# Altium PCB OneStep_И1.PcbDoc
Units mm, origin at the board's own origin, x right, y up, seen from the top; angles counter-clockwise.
Board outline 99.99 x 92.95 mm, 2 copper layers (Top Layer, Bottom Layer), stack 1.5 mm thick; 30 components, 47 nets, 168 pads, 0 vias.
Unrouted connection lines stored in the file: 3.
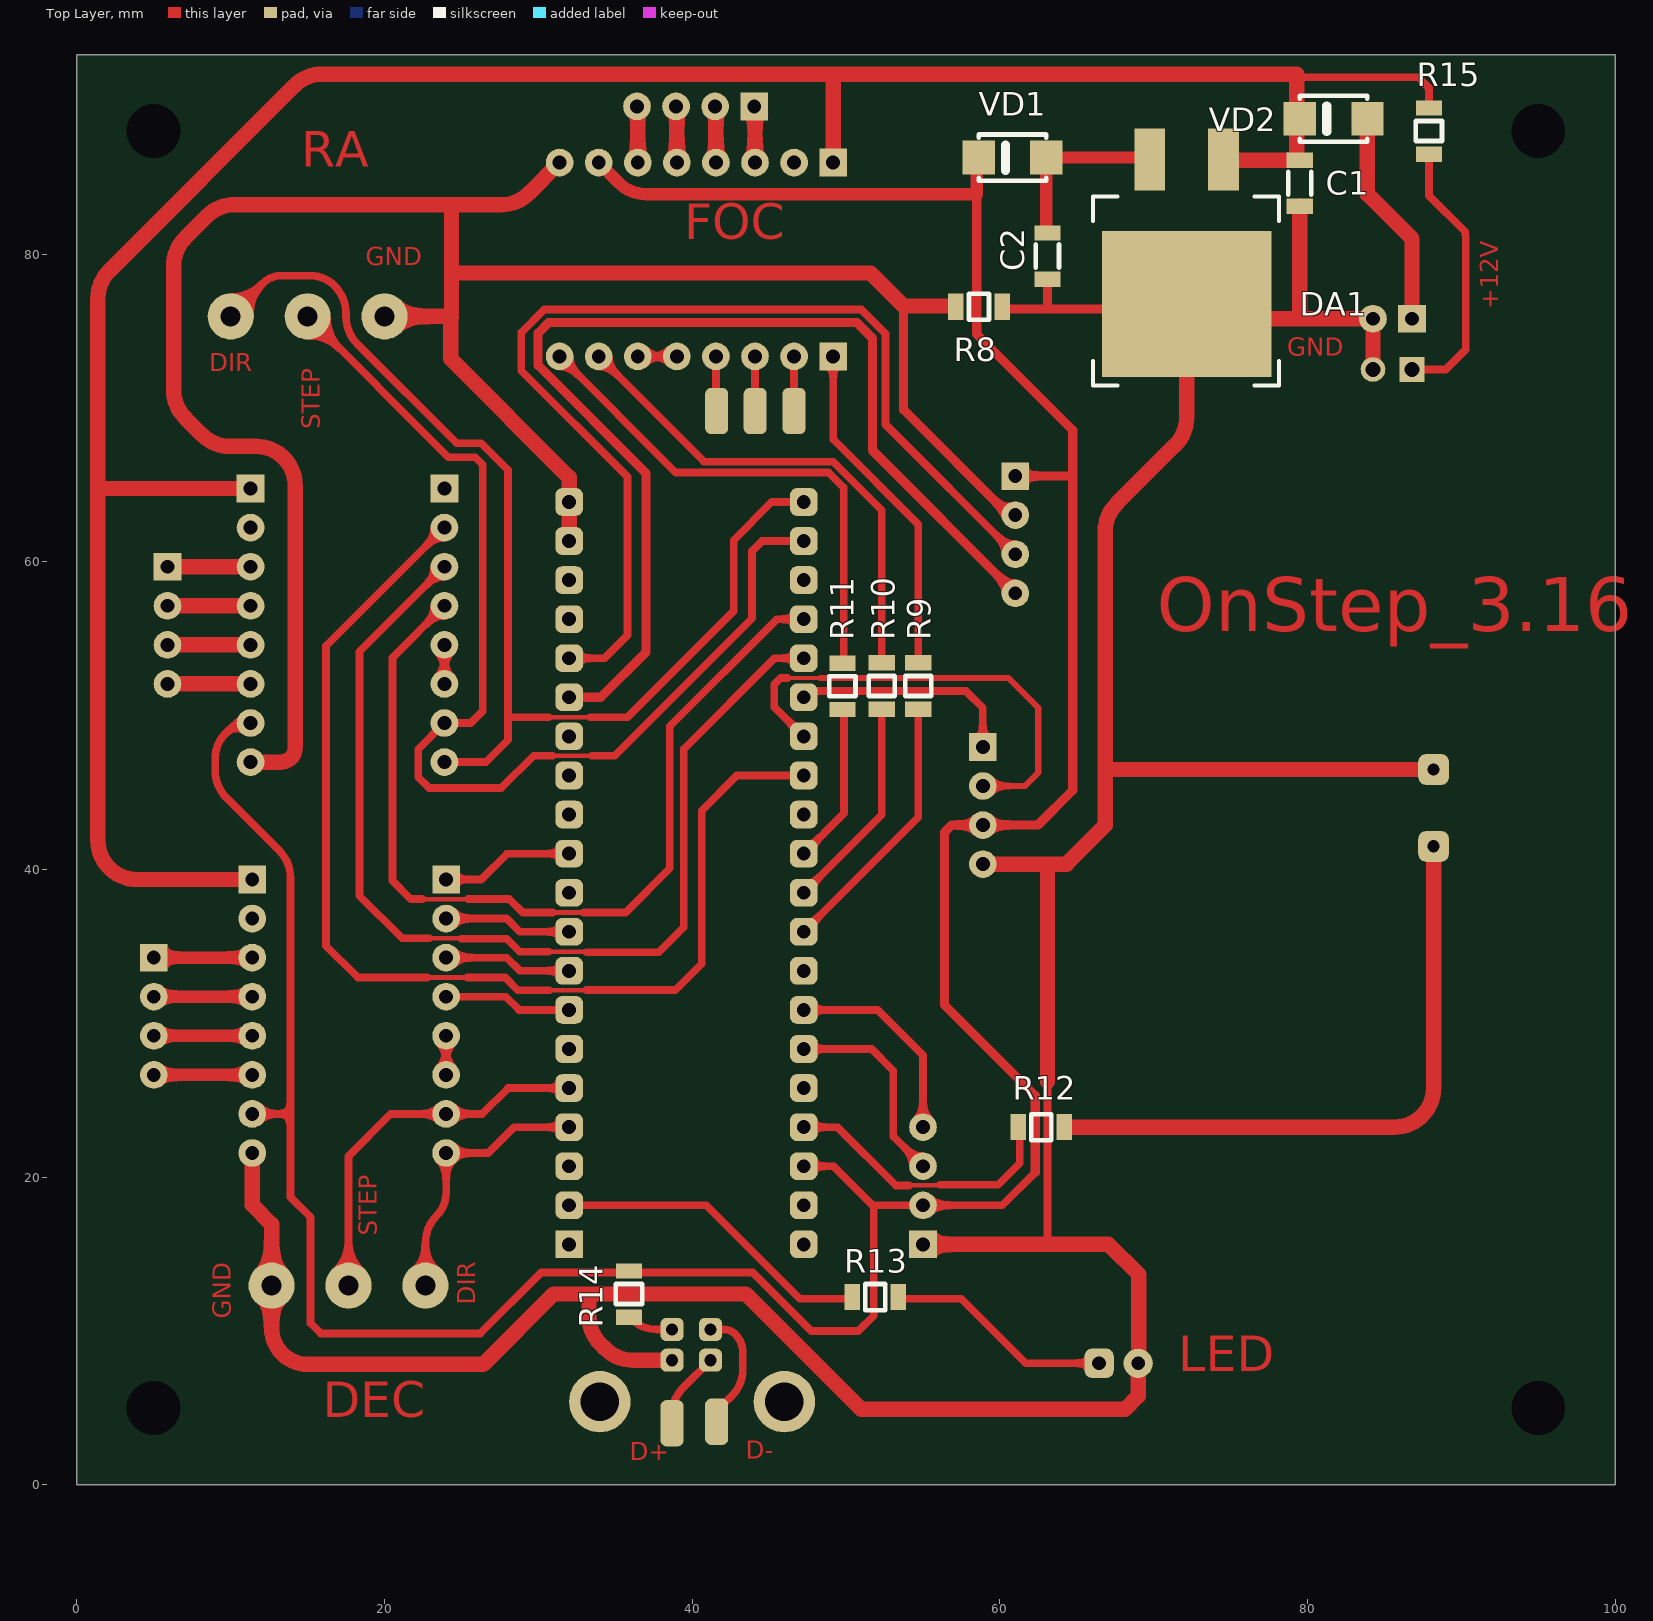
[diagram p0: Top Layer view]
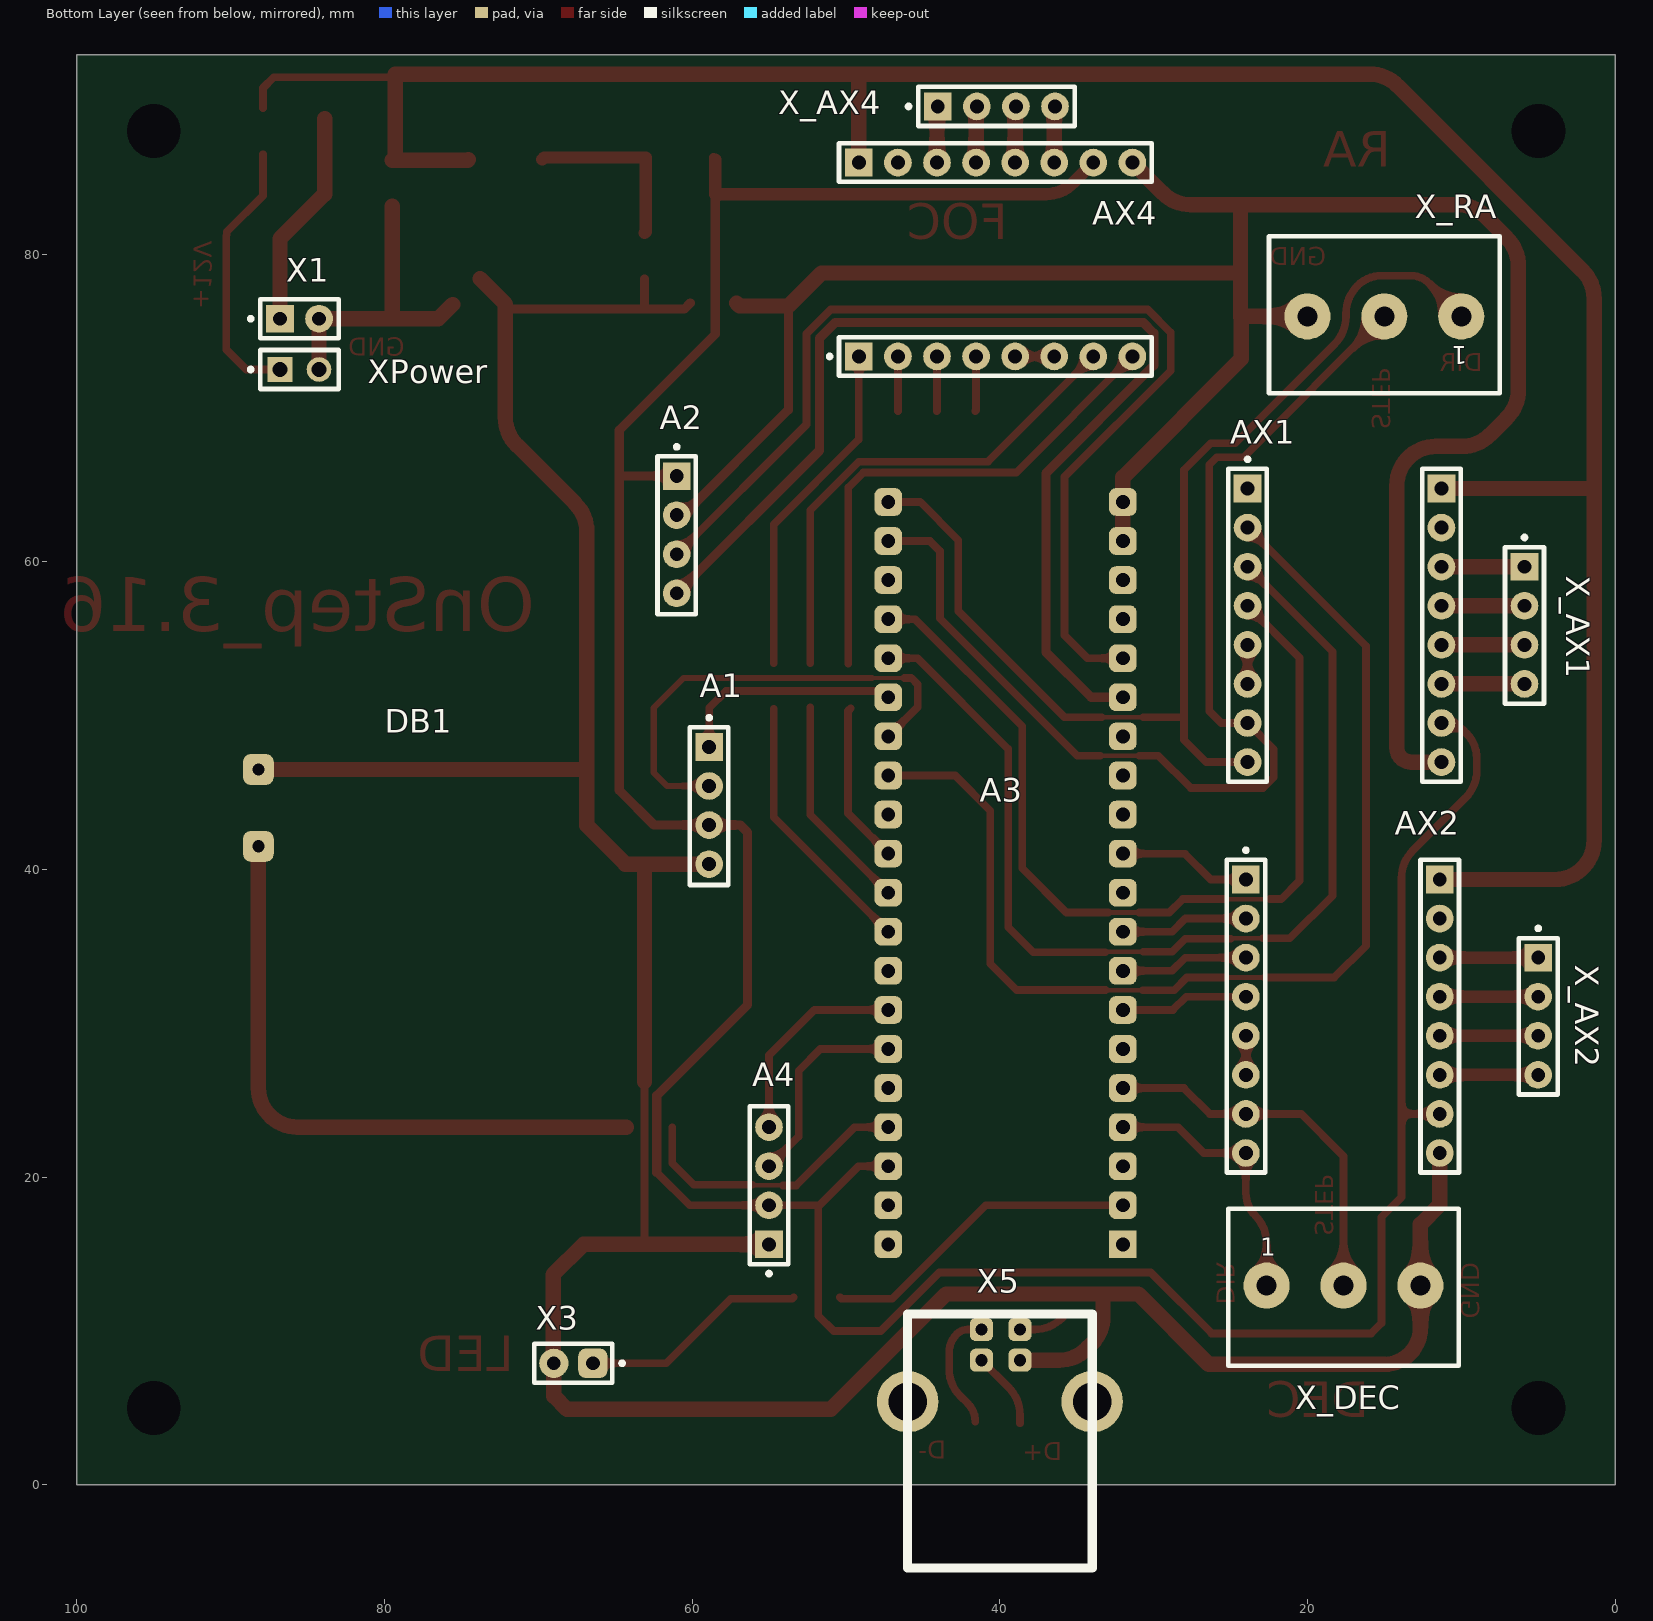
[diagram p1: Bottom Layer view, seen from below]
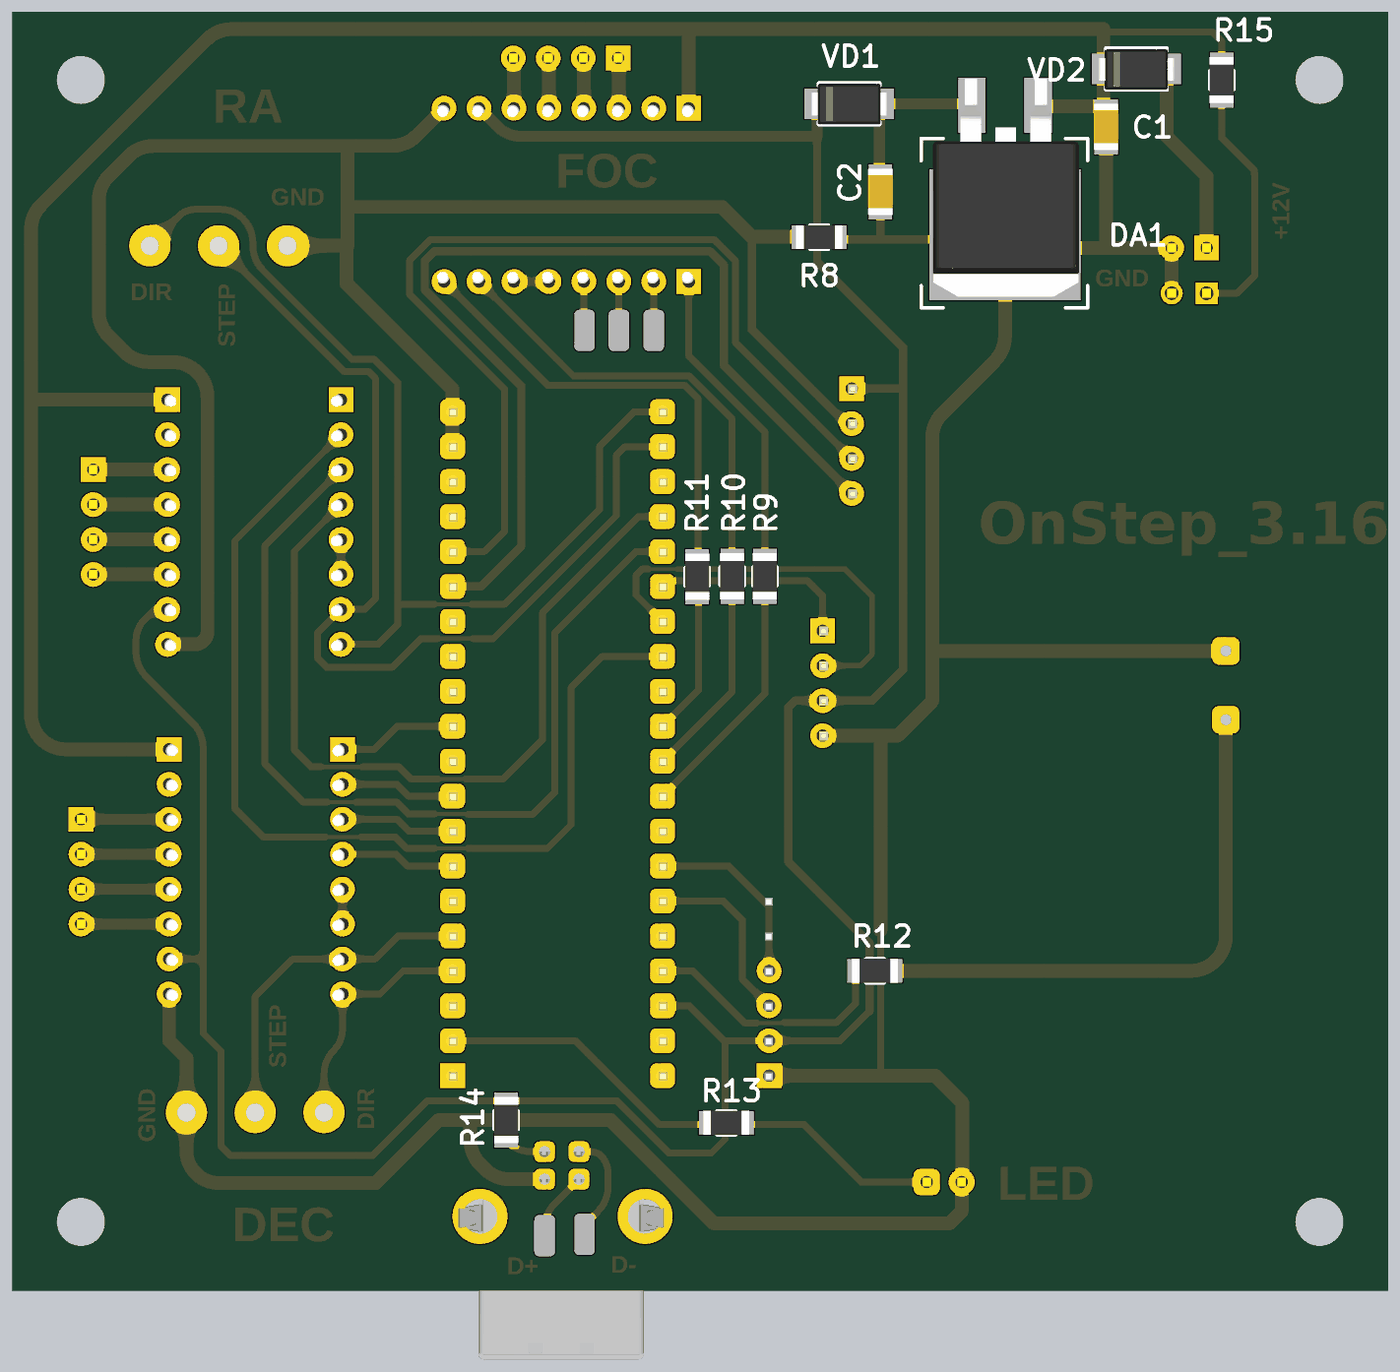
[diagram p2: 3D render of the assembled board from above, using the file's embedded part models]
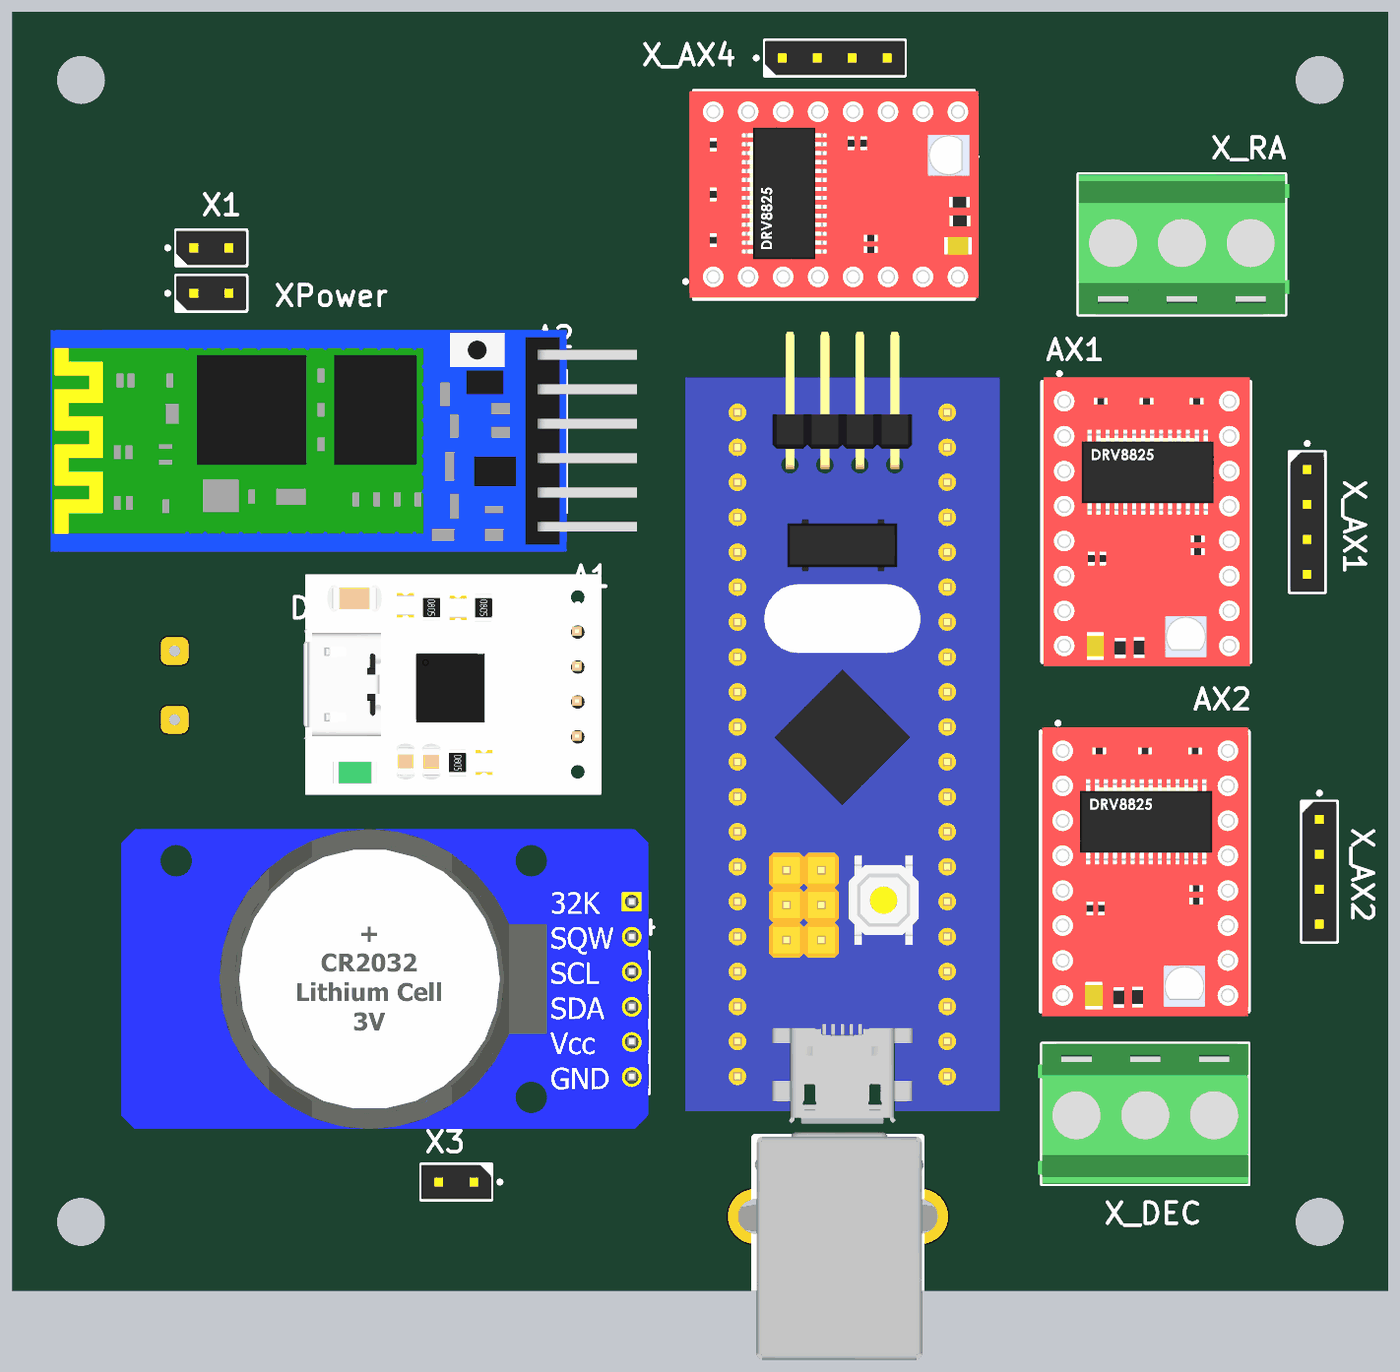
[diagram p3: 3D render of the assembled board from below, using the file's embedded part models]

## Layer stack, top to bottom
Top Solder: solder mask 0.05, Solder Resist, Dk 3.5
Top Layer: signal copper 0.018
Dielectric 1: dielectric 1.464, FR-4, Dk 4.8
Bottom Layer: signal copper 0.018
Bottom Solder: solder mask 0.05, Solder Resist, Dk 3.5

## Board outline
0.01,0 0.01,92.95 100,92.95 100,0

## Design rules (kind name [scope] priority, off if disabled: settings)
BoardOutlineClearance [OnLayer('Top Layer')] p1: gap=0.5 ignorepadtopadclearanceinfootprint=FALSE
BoardOutlineClearance BoardOutlineClearance_1 [OnLayer('Bottom Layer')] p2: gap=0.5 ignorepadtopadclearanceinfootprint=FALSE
Clearance [All] p1: gap=0.2 ignorepadtopadclearanceinfootprint=FALSE
ComponentClearance [All] p1: gap=0.5 collisioncheckmode=3 verticalgap=0.5 showdistances=FALSE
Height [All] p1: minheight=0 maxheight=50 prefheight=12.7
HoleSize [All] p1: absolutevalues=TRUE maxlimit=20 minlimit=0.4 maxpercent=80.000 minpercent=20.000
MinimumSolderMaskSliver [All] p1: minsoldermaskwidth=0.2
PolygonConnect PolygonConnect_Via [All] p1: connectstyle=Direct reliefconductorwidth=0.254 reliefentries=4 polygonreliefangle="90 Angle" airgapwidth=0.254
PolygonConnect [All] p2: connectstyle=Relief reliefconductorwidth=0.3 reliefentries=4 polygonreliefangle="90 Angle" airgapwidth=0.3
RoutingVias [All] p1: holewidth=0.711 width=1.27 viastyle="Through Hole" minholewidth=0.711 minwidth=1.27 maxholewidth=0.711 maxwidth=1.27
SilkToSilkClearance [All] p1: silktosilkclearance=0
SilkToSolderMaskClearance [IsPad] p1 off: minsilkscreentomaskgap=0.1 clearancetoexposedcopper=TRUE
SolderMaskExpansion [All] p1: expansion=0.1
Width [All] p1: maxlimit=2.5 minlimit=0.25 preferedwidth=0.3
24 further rules are at their usual default settings.

## Components (designator, comment, footprint, x,y, rotation, side; value= is the part's Value field where it differs from the comment)
A1 "CPL2102" CP2102 58.9,47.965 r180 bottom
A2 "HC-05" HC-05 61.01,65.57 r180 bottom
A3 "STM32F103C8" STM32BLUE_PILL 32.01,15.63 r0 bottom
A4 "DS3231" DS3231 55.01,23.25 r180 bottom
AX1 "A4988_Ra" A4899 23.9,64.76 r180 bottom
AX2 "A4988_Dec" A4899 24.01,39.35 r180 bottom
AX4 "A4988_Foc" A4899 49.17,73.35 r90 bottom
C1 "4,7мкФ" C1206H19 79.5,84.6 r90 top value=4.7uF
C2 "4,7мкФ" C1206H19 63.1,79.875 r90 top value=4.7uF
DA1 "L7805CD2T" D2PAK 72.05,76.65 r270 top
DB1 "PKM13" PKM13 88.2,46.5 r270 bottom
R8 "0 Ом" R1206H07 58.65,76.575 r0 top value=0Оhm
R9 "0 Ом" R1206H07 54.7,51.925 r90 top value=0Оhm
R10 "0 Ом" R1206H07 52.325,51.925 r90 top value=0Оhm
R11 "0 Ом" R1206H07 49.775,51.9 r90 top value=0Оhm
R12 "0 Ом" R1206H07 62.7,23.25 r0 top value=0Оhm
R13 "0 Ом" R1206H07 51.9,12.2 r180 top value=0Оhm
R14 "0 Ом" R1206H07 35.9,12.4 r90 top value=0Оhm
R15 "24кОм" R1206H07 87.9,88 r90 top value=24кОhm
VD1 "US1J" SMA 60.825,86.275 r0 top
VD2 "US1J" SMA 81.7,88.8 r0 top
X1 "PLS-02" PLS-02#1 86.8,75.8 r180 bottom
X3 "PLS-02" PLS-02#2 66.46,7.9 r0 bottom
X5 "TYPE_B" Type_B 41.2,8.1 r180 bottom
X_AX1 "PLS-04" PLS-04 5.9,59.68 r270 bottom
X_AX2 "PLS-04" PLS-04 5.01,34.27 r270 bottom
X_AX4 "PLS-04" PLS-04 44.04,89.6 r180 bottom
X_DEC "DG128-5.0-03P" DG128-5.0-03 22.667,12.95 r180 bottom
X_RA "DG128-5.0-03P" DG128-5.0-03 10.01,75.95 r0 bottom
XPower "PLS-02" PLS-02#3 86.8,72.5 r180 bottom

## Footprints (in the part's own frame and the unit in brackets; to place one, negate y for a bottom-side part, rotate by r counter-clockwise, add the part's x,y. Pads: shape width x height; smd on the part's side, far side on the other; paste and mask are expansions set on the pad)
A4899 [mm]
  rect 1.8x1.8 hole 0.9: 1(0,0) 16(12.6,0)
  round 1.8 hole 0.9: 2(0,-2.54) 3(0,-5.08) 4(0,-7.62) 5(0,-10.16) 6(0,-12.7) 7(0,-15.24) 8(0,-17.78) 9(12.6,-17.78) 10(12.6,-15.24) 11(12.6,-12.7) 12(12.6,-10.16) 13(12.6,-7.62) 14(12.6,-5.08) 15(12.6,-2.54)
  silkscreen extent -1.25,-19.05 13.85,2, body extent -1.16,-19.39 13.84,1.61, height 9.32
C1206H19 [mm] "Chip Capacitor, 2-Leads, Body 3,20x1,60mm, IPC High Density"
  rect 1x1.7 smd: 1(-1.5,0) 2(1.5,0)
  silkscreen extent -0.75,-0.75 0.75,0.75, body extent -1.7,-0.9 1.7,0.9, height 1.9
CP2102 [mm]
  rect 1.8x1.8 hole 0.9: 1(0,0)
  round 1.8 hole 0.9: 2(0,-2.54) 3(0,-5.08) 4(0,-7.62)
  silkscreen extent -1.25,-8.98 1.25,2, body extent -19.91,-11.9 1.71,4.1, height 9.73
D2PAK [mm]
  rect 4x2 smd: 1(-9.5,2.5) 3(-9.5,-2.3)
  rect 9.5x11 smd: 2(-0.1,0.1)
  silkscreen extent -7.1,-6 5.2,6.1, body extent -11.45,-5.16 4.4,5.48, height 4.8
DG128-5.0-03 [mm] "3-Leads connector, Body 15.0x10.2mm, Pitch 5.0mm, IPC Medium Density"
  round 3 hole 1.3: 1(0,0) 2(5,0) 3(10,0)
  silkscreen extent -2.5,-5.2 12.5,5, body extent -2.8,-5.2 12.5,5, height 14.3
DS3231 [mm]
  rect 1.8x1.8 hole 0.9: 1(0,-7.62)
  round 1.8 hole 0.9: 2(0,-5.08) 3(0,-2.54) 4(0,0)
  silkscreen extent -1.25,-9.62 1.25,1.36, body extent -37.07,-11.5 1.27,10.3, height 15.63
HC-05 [mm]
  rect 1.8x1.8 hole 0.9: 1(0,0)
  round 1.8 hole 0.9: 2(0,-2.54) 3(0,-5.08) 4(0,-7.62)
  silkscreen extent -1.25,-8.98 1.25,2, body extent -36.2,-11.85 6.4,4.25, height 11.9
PKM13 [mm] "Busser"
  rrect50% 2x2 hole 0.8: 1(0,0) 2(5,0)
  body extent -4,-6.5 9,6.5, height 7
PLS-02#1 [mm] "3-Leads PLS-connector, Pitch 2.54mm, IPC Medium Density"
  rect 1.8x1.8 hole 0.9: 1(0,0)
  round 1.8 hole 0.9: 2(2.54,0)
  silkscreen extent -2,-1.27 3.81,1.27, body extent -1.27,-1.25 3.81,1.25, height 8.54
PLS-02#2 [mm] "3-Leads PLS-connector, Pitch 2.54mm, IPC Medium Density"
  rrect50% 1.9x1.9 hole 0.9: 1(0,0)
  round 1.9 hole 0.9: 2(2.54,0)
  silkscreen extent -2,-1.27 3.81,1.27, body extent -1.27,-1.25 3.81,1.25, height 8.54
PLS-02#3 [mm] "3-Leads PLS-connector, Pitch 2.54mm, IPC Medium Density"
  rect 1.6x1.6 hole 1: 1(0,0)
  round 1.6 hole 1: 2(2.54,0)
  silkscreen extent -2,-1.27 3.81,1.27, body extent -1.27,-1.25 3.81,1.25, height 8.54
PLS-04 [mm] "4-Leads PLS-connector, Pitch 2.54mm, IPC Medium Density"
  rect 1.8x1.8 hole 0.9: 1(0,0)
  round 1.8 hole 0.9: 2(2.54,0) 3(5.08,0) 4(7.62,0)
  silkscreen extent -2,-1.27 8.9,1.27, body extent -1.27,-1.25 8.89,1.25, height 8.54
R1206H07 [mm] "Chip Resistor, 2-Leads, Body 3,20x1,60mm, IPC High Density"
  rect 1x1.7 smd: 1(-1.5,0) 2(1.5,0)
  silkscreen extent -0.65,-0.85 0.65,0.85, body extent -1.68,-0.87 1.68,0.87, height 0.7
SMA [mm] "SMC, 2-Leads, Body 4.5x2.79mm"
  rect 2.1x2.2 smd: 1(2.2,0) 2(-2.2,0)
  silkscreen extent -2.2,-1.5 2.2,1.5, body extent -2.8,-1.5 2.8,1.45, height 3
STM32BLUE_PILL [mm]
  rect 1.8x1.8 hole 0.9: 1(0,0)
  rrect50% 1.8x1.8 hole 0.9: 2(0,-2.54) 3(0,-5.08) 4(0,-7.62) 5(0,-10.16) 6(0,-12.7) 7(0,-15.24) 8(0,-17.78) 9(0,-20.32) 10(0,-22.86) 11(0,-25.4) 12(0,-27.94) 13(0,-30.48) 14(0,-33.02) 15(0,-35.56) 16(0,-38.1) 17(0,-40.64) 18(0,-43.18) 19(0,-45.72) 20(0,-48.26) 21(15.25,-48.26) 22(15.25,-45.72) 23(15.25,-43.18) 24(15.25,-40.64) 25(15.25,-38.1) 26(15.25,-35.56) 27(15.25,-33.02) 28(15.25,-30.48) 29(15.25,-27.94) 30(15.25,-25.4) 31(15.25,-22.86) 32(15.25,-20.32) 33(15.25,-17.78) 34(15.25,-15.24) 35(15.25,-12.7) 36(15.25,-10.16) 37(15.25,-7.62) 38(15.25,-5.08) 39(15.25,-2.54) 40(15.25,0)
  body extent -3.76,-54.08 19.1,3.48, height 14.77
Type_B [mm]
  rrect50% 1.5x1.5 hole 0.8: 1(0,0) 2(2.5,0) 3(2.5,2) 4(0,2)
  round 4 hole 2.5: 5(-4.8,-2.7) 6(7.2,-2.7)
  silkscreen extent -4.8,-13.5 7.2,3, body extent -6.17,-13.1 8.78,3.4, height 11.3

## Part data
A1: Manufacturer="Texas Instruments", Package=SOT23-6, ValueBOM="DType: Микросхема CPL2102 Texas Instruments", ComponentLink1Description=Datasheet, ComponentLink1URL="c:\Dataseets\Микросхемы\По фирмам\Avago Technologies\HCPL-4100.pdf", DType=Микросхема, ValueSch=CPL2102
A2: Manufacturer="Texas Instruments", Package=SOT23-6, ValueBOM="DType: Микросхема HC-05 Texas Instruments", ComponentLink1Description=Datasheet, ComponentLink1URL="c:\Dataseets\Микросхемы\По фирмам\Avago Technologies\HCPL-4100.pdf", DType=Микросхема, ValueSch=HC-05
A3: library part STM32BLUE_PILL, Manufacturer=NXP, Package=TSSOP8, ValueBOM="Микросхема STM32F103C8 NXP", ComponentLink1Description=Datasheet, ComponentLink1URL="c:\Dataseets\Микросхемы\По фирмам\Avago Technologies\HCPL-4100.pdf", DType=Микросхема, ValueSch=STM32F103C8
A4: Manufacturer="Texas Instruments", Package=SOT23-6, ValueBOM="DType: Микросхема DS3231 Texas Instruments", ComponentLink1Description=Datasheet, ComponentLink1URL="c:\Dataseets\Микросхемы\По фирмам\Avago Technologies\HCPL-4100.pdf", DType=Микросхема, ValueSch=DS3231
AX1 AX2 AX4: library part DRV8825, "STEP Motor Driver", PackageType=PLS, TemperatureOperating="-40°C to +85°C", ComponentLink1Description="Ссылка на сайт производителя", ComponentLink2Description="Ссылка на сайт производителя", ComponentLink3Description="Ссылка на сайт производителя", FullName="Микросхема MAX1316ECM Maxim", HelpURL="D:\Local_view\PDM\Справочники\Перечень ЭРИ\Документация\max1316-max1326.pdf", ID=DRV8825, Mounting=SMT, Part Number=DRV8825, TemperatureStorage="-40°C to +85°C", Type=Микросхема, Поставщик=Texas
C1 C2: library part "C1206 X7R 50V 4.7uF", "Керамический ЧИП конденсатор", Package=1206, PackageType=CAP-CHIP, Part Number="1206 X7R 50В 4,7мкФ", TemperatureOperating_max=125, TemperatureOperating_min=-55, Tolerance=±10%, Voltage=50V, ComponentLink1Description="Ссылка на сайт производителя", ComponentLink2Description="Ссылка на сайт производителя", ComponentLink3Description="Ссылка на сайт производителя", FullName="Конденсатор 1206 X7R 50В 4,7мкФ", HelpURL="D:\local_view\PDM\Справочники\Перечень ЭРИ\Документация\Конденсаторы\Керамические\ЧИП\0201-1812_TY.pdf", ID="C1206 X7R 50V 4.7uF", Mounting=SMT, TKE=X7R, Type=Конденсатор
DA1: "Positive voltage regulator", Manufacturer="ST Microelectronics", Package=D2PAK, PackageType=DPAK, TemperatureOperating_max=+150, TemperatureOperating_min=-65, ComponentLink1Description="Ссылка на сайт производителя", ComponentLink2Description="Ссылка на сайт производителя", ComponentLink3Description="Ссылка на сайт производителя", ExtendedParameters="DC Input voltage 35V / Output voltage 5+-2V / Output current to 1.5A / Dropout voltage 2-2.5V / Output noise voltage 40 µV/VO", FullName="Микросхема L7805CD2T ST Microelectronics", Functionality="Линейные стабилизаторы напряжения", HelpURL="D:\local_view\PDM\Справочники\Перечень ЭРИ\Документация\Микросхемы\Линейные стабилизаторы напряжения\L7800_STMicroelectronics.pdf", ID=L7805CD2T, Mounting=SMT, Part Number=L7805CD2T, Type=Микросхема
DB1: "=Description"
R8 R9 R10 R11 R12 R13 R14: library part "R1206 0Ohm_5", "Постоянный ЧИП резистор", Package=1206, PackageType=RES-CHIP, Part Number="1206 0 Ом±5%", Power=0.25W, TemperatureOperating_max=155, TemperatureOperating_min=-55, Tolerance=±5%, ComponentLink1Description="Ссылка на сайт производителя", ComponentLink2Description="Ссылка на сайт производителя", ComponentLink3Description="Ссылка на сайт производителя", FullName="Резистор 1206 0 Ом±5%", HelpURL="D:\Local_view\PDM\Справочники\Перечень ЭРИ\Документация\Резисторы\Постоянные\ЧИП\RC1206_yageo.pdf", ID="R1206 0Ohm_5", Mounting=SMT, Type=Резистор
R15: library part "R1206 24kOhm_5", "Постоянный ЧИП резистор", Package=1206, PackageType=RES-CHIP, Part Number="1206 24кОм±5%", Power=0.25W, TemperatureOperating_max=155, TemperatureOperating_min=-55, Tolerance=±5%, ComponentLink1Description="Ссылка на сайт производителя", ComponentLink2Description="Ссылка на сайт производителя", ComponentLink3Description="Ссылка на сайт производителя", FullName="Резистор 1206 24кОм±5%", HelpURL="D:\Local_view\PDM\Справочники\Перечень ЭРИ\Документация\Резисторы\Постоянные\ЧИП\RC1206_yageo.pdf", ID="R1206 24kOhm_5", Mounting=SMT, Type=Резистор
VD1 VD2: "Surface Mount Ultra Fast Rectifier", Current=1A, Manufacturer=Vishay, Package=SMA, Reverse_Voltage=420V, TemperatureOperating_max=150, TemperatureOperating_min=-55, ComponentLink1Description="Ссылка на сайт производителя", ComponentLink2Description="Ссылка на сайт производителя", ComponentLink3Description="Ссылка на сайт производителя", FullName="Диод US1J Vishay", HelpURL="D:\local_view\PDM\Справочники\Перечень ЭРИ\Документация\Диоды\Выпрямительные и импульсные диоды\US1A-US1M_Vishay.pdf", ID=US1J, Mounting=SMT, PackageType=SMA, Part Number=US1J, Type=Диод
X1 X3 X_AX1 X_AX2 X_AX4 XPower: "Вилка на плату прямая шаг 2,54 мм 1 ряд", Current=1А, PackageType=CON-PLD, TemperatureOperating_max=105, TemperatureOperating_min=-25, Voltage_max=250V, ComponentLink1Description="Ссылка на сайт производителя", ComponentLink2Description="Ссылка на сайт производителя", ComponentLink3Description="Ссылка на сайт производителя", HelpURL="D:\Local_view\PDM\Справочники\Перечень ЭРИ\Документация\Соединители\Прямоугольные\pld_pls.pdf", Mounting=THT, Type=Вилка
  X1 X3 XPower: FullName="Вилка PLS-02", ID=PLS-02, Package=PLS-02, Part Number=PLS-02
  X_AX1 X_AX2 X_AX4: FullName="Вилка PLS-04", ID=PLS-04, Package=PLS-04, Part Number=PLS-04
X5: library part USB_type_B, "USB_type_B", Manufacturer="Texas Instruments", Package=SOT23-6, ValueBOM="DType: Микросхема TYPE_B Texas Instruments", ComponentLink1Description=Datasheet, ComponentLink1URL="c:\Dataseets\Микросхемы\По фирмам\Avago Technologies\HCPL-4100.pdf", DType=Микросхема, ValueSch=TYPE_B
X_DEC X_RA: library part DG128-5.0-03P-14, "Винтовой клеммник,  / 3 контакта", Manufacturer=DEGSON, Package=DG128-03, PackageType=DG128, TemperatureOperating_max=105, TemperatureOperating_min=-40, ComponentLink1Description="Ссылка на сайт производителя", ComponentLink2Description="Ссылка на сайт производителя", ComponentLink3Description="Ссылка на сайт производителя", ExtendedParameters="Сечение 24-12AWG/2.5 кв.мм / 300V, 10А", FullName="Клеммник DG128-5.0-03P-14 Degson", HelpURL="D:\Local_view\PDM\Справочники\Перечень ЭРИ\Документация\Соединители\Клеммники\DG128-5.0.pdf", ID=DG128-5.0-03P-14, Mounting=THT, Part Number=DG128-5.0-03P-14, Type=Клеммник

## Free pads (board coordinates)
  round 1.5 hole 3.5 unplated: 3(5,5) 4(95,5) 5(95,88) 6(5,88)
  rrect50% 1.5x3 smd: 7(38.7,4) 7(41.6,4.1) 8(41.6,69.8) 9(46.63,69.8) 10(44.1,69.8)

## Nets (pads, with @x,y where several pads share a name; then routed paths per layer and width w, separated by ;. In a path a pad name is that pad's centre, name@x,y a point inside that pad or via, vN(x,y) a via of type N, cw(c..) or ccw(c..) an arc to the next point about the centre after c; other vN are vias at no path point)
+5: A1.3 A2.1 A3.38 A4.2 AX1.10 AX2.10 AX4.3 AX4.10 pad.10 R14.1 R14.2 VD1.2 X5.3 | length 223.1
  Top Layer w0.5: AX1.10 ccw(c11.3,47.22) 9,47.22 9,46.442 ccw(c11.54,46.442) 9.744,44.646 13.146,41.244 cw(c11.35,39.448) 13.89,39.448 13.89,24.11 ; AX2.10 13.89,24.11 ; R14.1 35.956,10.844 ccw(c37.752,12.64) 37.752,10.1 X5.3 ; AX4.3 44.09,69.81 pad.10 ; A3.38 49.19,20.71 51.73,18.17 A4.2 60.17,18.17 62.3,20.3 ; 51.8,17.97 51.8,11 50.8,10 47.75,10 43.95,13.8 30.2,13.8 26.241,9.841 15.859,9.841 15.2,10.5 15.2,17.4 13.89,18.71 13.89,24.11
  Top Layer w0.6: 58.5,83.9 58.5,74.8 64.75,68.55 64.75,65.7 ; VD1.2@58.5,86.15 VD1.2 ; A2.1 64.62,65.57 64.75,65.7 ; 62.3,20.3 62.3,25.3 56.4,31.2 56.4,42.4 56.885,42.885 A1.3 62.485,42.885 64.75,45.15 64.75,65.7
  Top Layer w0.8: AX4.10 35.259,84.621 ccw(c37,86.362) 37,83.9 58.5,83.9 VD1.2@58.5,86.15
+12: AX1.16 AX2.16 AX4.16 C1.2 DA1.1 R15.2 VD2.2 | length 167.4
  Top Layer w0.5: 79.3,91.5 87.2,91.5 87.9,90.8 R15.2
  Top Layer w1: AX1.16 1.635,64.76 1.375,64.5 ; AX2.16 3.915,39.35 cw(c3.915,41.89) 3.124,39.476 cw(c3.915,41.89) 1.501,41.099 cw(c3.915,41.89) 1.375,41.89 1.375,64.5 ; AX4.16 49.17,91.4 ; DA1.1 74.6,86.1 C1.2 79.3,86.3 79.3,91.5 79.3,91.7 15.952,91.7 ccw(c15.952,89.16) 14.156,90.956 2.119,78.919 ccw(c3.915,77.123) 1.375,77.123 1.375,64.5
AX1DIR: A3.21 AX1.8 X_RA.1 | length 75.3
  Top Layer w0.3: 30.69,49.9 33.4,49.9
  Top Layer w0.5: X_RA.1 10.01,76.01 12.1,78.1 cw(c13.307,76.893) 13.307,78.6 15.172,78.6 cw(c15.172,76.36) 16.756,77.944 cw(c14.96,76.148) 17.5,76.148 17.5,75.952 ccw(c20.04,75.952) 18.244,74.156 24.7,67.7 26.3,67.7 28.038,65.962 28.038,49.9 ; AX1.8 26.58,46.98 28.038,48.438 28.038,49.9 ; 30.69,49.9 28.038,49.9 ; 33.4,49.9 35.8,49.9 42.7,56.8 42.7,61.4 45.19,63.89 A3.21
AX1EN: A3.29
AX1M0: A3.28 AX1.2 | length 74.2
  Top Layer w0.3: 22.77,32.98 25.375,32.98 ; 30.7,32.15 30.71,32.16 33.135,32.16
  Top Layer w0.5: 22.77,32.98 18.27,32.98 16.2,35.05 16.2,54.52 AX1.2 ; 25.375,32.975 27.85,32.975 28.675,32.15 30.7,32.15 ; 33.135,32.16 38.91,32.16 40.625,33.875 40.625,43.825 42.91,46.11 A3.28
AX1M1: A3.25 AX1.3 | length 68.7
  Top Layer w0.3: 22.905,35.52 25,35.52 ; 30.69,34.66 33.15,34.66
  Top Layer w0.5: 22.905,35.52 21.15,35.52 18.375,38.295 18.375,54.155 AX1.3 ; 25,35.5 27.95,35.5 28.79,34.66 30.69,34.66 ; 33.15,34.625 37.825,34.625 39.45,36.25 39.45,47.825 45.355,53.73 A3.25
AX1M2: A3.24 AX1.4 | length 60.2
  Top Layer w0.3: 22.45,38.075 25.45,38.075 ; 30.95,37.2 32.95,37.2
  Top Layer w0.5: 22.45,38.075 21.725,38.075 20.525,39.275 20.525,53.765 AX1.4 ; 25.45,38.075 28.125,38.075 29,37.2 30.95,37.2 ; 32.95,37.2 35.675,37.2 38.55,40.075 38.55,49.3 45.52,56.27 A3.24
AX1STEP: A3.22 AX1.7 X_RA.2 | length 73
  Top Layer w0.3: 30.95,47.4 33.5,47.4
  Top Layer w0.5: X_RA.2 24.16,66.8 25.9,66.8 26.4,66.3 26.4,50.3 25.62,49.52 AX1.7 22.2,47.82 22.2,46 22.9,45.3 27.6,45.3 29.7,47.4 30.95,47.4 ; 33.5,47.4 34.975,47.4 43.9,56.325 43.9,60.7 44.55,61.35 A3.22
AX2DIR: A3.4 AX2.8 X_DEC.1 | length 17.7
  Top Layer w0.5: X_DEC.1 22.667,15.73 cw(c25.17,15.73) 23.4,17.5 ccw(c21.927,18.973) 24.01,18.973 AX2.8 26.745,21.57 28.425,23.25 A3.4
AX2EN: A3.11 AX2.1 | length 8.7
  Top Layer w0.5: AX2.1 26.295,39.35 27.975,41.03 A3.11
AX2M0: A3.9 AX2.2 | length 8.4
  Top Layer w0.5: AX2.2 27.94,36.81 28.8,35.95 A3.9
AX2M1: A3.8 AX2.3 | length 8.4
  Top Layer w0.5: AX2.3 27.955,34.27 28.815,33.41 A3.8
AX2M2: A3.7 AX2.4 | length 8.4
  Top Layer w0.5: AX2.4 27.895,31.73 28.755,30.87 A3.7
AX2STEP: A3.5 AX2.7 X_DEC.2 | length 24.6
  Top Layer w0.5: X_DEC.2 17.667,21.367 20.41,24.11 AX2.7 26.36,24.11 28.04,25.79 A3.5
AX4DIR: A3.30 AX4.8 R11.1 R11.2 | length 44
  Top Layer w0.5: AX4.8 38.94,65.8 48.875,65.8 49.85,64.825 R11.2@49.85,53.375 ; A3.30 49.875,43.645 49.875,50.3 R11.1 R11.1@49.7,50.475
AX4EN: A3.32 AX4.1 R9.1 R9.2 | length 39.8
  Top Layer w0.5: A3.32 54.7,43.39 R9.1 ; AX4.1 49.17,67.955 54.7,62.425 R9.2
AX4STEP: A3.31 AX4.7 R10.1 R10.2 | length 46.6
  Top Layer w0.5: AX4.7 40.78,66.5 49.165,66.5 52.325,63.34 R10.2 ; A3.31 52.325,43.555 R10.1@52.325,50.525
D+: pad.7@38.7,4 X5.1 | length 5
  Top Layer w0.5: pad.7@38.7,4 38.7,4.548 cw(c41.24,4.548) 39.444,6.344 X5.1
D-: pad.7@41.6,4.1 X5.4 | length 8
  Top Layer w0.5: X5.4 42.076,10.1 cw(c42.076,9.076) 42.8,9.8 cw(c41.593,8.593) 43.3,8.593 43.3,7.5 cw(c40.886,7.5) 42.593,5.793 42.095,5.295 ccw(c43.29,4.1) pad.7@41.6,4.1
GND: A1.4 A2.2 A3.19 A3.20 A4.1 AX1.9 AX2.9 AX4.2 AX4.4 AX4.9 C1.1 C2.1 DA1.2 DB1.1 pad.8 pad.9 R8.1 R8.2 X1.2 X3.2 X5.2 X_DEC.3 X_RA.3 XPower.2 | length 388.6
  Top Layer w0.5: AX4.4 41.55,69.85 pad.8 ; pad.9 AX4.2 ; 63.1,15.63 63.1,26.2
  Top Layer w0.6: 53.75,76.625 53.75,69.875 60.595,63.03 A2.2 ; R8.2@60.125,76.825 60.525,76.425 63.15,76.425 ; C2.1 63.1,76.475 63.15,76.425 ; DA1.2 71.825,76.425 63.15,76.425
  Top Layer w1: AX1.9 13.27,46.98 ccw(c13.27,47.91) 14.2,47.91 14.2,64.96 ccw(c11.66,64.96) 11.66,67.5 9.952,67.5 cw(c9.952,70.04) 8.156,68.244 7.044,69.356 cw(c8.84,71.152) 6.3,71.152 6.3,79.248 cw(c8.84,79.248) 7.044,81.044 8.466,82.466 cw(c10.262,80.67) 10.262,83.21 24.36,83.21 ; AX2.9 11.41,18.19 12.667,16.933 X_DEC.3 12.667,10.183 ccw(c15.025,10.183) 15.025,7.825 26.425,7.825 31,12.4 33.3,12.4 ; X_RA.3 24.3,75.95 ; AX4.9 29.394,83.954 cw(c27.598,85.75) 27.598,83.21 24.36,83.21 ; A3.19 A3.20 32.01,65.49 24.3,73.2 24.3,75.95 ; X5.2 36.152,8.1 cw(c36.152,10.64) 34.356,8.844 34.044,9.156 cw(c35.84,10.952) 33.3,10.952 33.3,12.4 ; A4.1 63.1,15.63 67.066,15.63 69.04,13.656 X3.2@69.04,7.9 ; R8.1@57.125,76.825 56.925,76.625 53.75,76.625 51.6,78.775 24.51,78.775 24.36,78.625 ; A1.4 63,40.345 ; 63.1,26.2 63.1,40.345 64.345,40.345 66.855,42.855 66.855,46.7 ; X3.2 69,5.76 68.14,4.9 51,4.9 43.5,12.4 33.3,12.4 ; DA1.2@73.8,78.4 DA1.2 72.15,69.377 cw(c69.61,69.377) 71.406,67.581 67.599,63.774 ccw(c69.395,61.978) 66.855,61.978 66.855,46.7 ; DA1.2@75.575,76.725 76.5,75.8 79.5,75.8 ; C1.1 79.5,75.8 ; XPower.2 X1.2 79.5,75.8 ; DB1.1 67.055,46.5 66.855,46.7 ; 24.3,75.95 24.36,75.89 24.36,78.625 ; 24.36,78.625 24.36,83.21
LED: A3.2 R13.2 | length 20.9
  Top Layer w0.5: A3.2 40.92,18.17 46.99,12.1 50.3,12.1 R13.2
NetAX1_5: AX1.5 AX1.6 | length 2.5
  Top Layer w0.5: AX1.6 AX1.5
NetAX1_11: AX1.11 X_AX1.4 | length 5.4
  Top Layer w1: X_AX1.4 AX1.11
NetAX1_12: AX1.12 X_AX1.3 | length 5.4
  Top Layer w1: X_AX1.3 AX1.12
NetAX1_13: AX1.13 X_AX1.2 | length 5.4
  Top Layer w1: X_AX1.2 AX1.13
NetAX1_14: AX1.14 X_AX1.1 | length 5.4
  Top Layer w1: X_AX1.1 AX1.14
NetAX2_5: AX2.5 AX2.6 | length 2.5
  Top Layer w0.5: AX2.6 AX2.5
NetAX2_11: AX2.11 X_AX2.4 | length 6.4
  Top Layer w0.8: X_AX2.4 AX2.11
NetAX2_12: AX2.12 X_AX2.3 | length 6.4
  Top Layer w0.8: X_AX2.3 AX2.12
NetAX2_13: AX2.13 X_AX2.2 | length 6.4
  Top Layer w0.8: X_AX2.2 AX2.13
NetAX2_14: AX2.14 X_AX2.1 | length 6.4
  Top Layer w0.8: X_AX2.1 AX2.14
NetAX4_5: AX4.5 AX4.6 | length 2.5
  Top Layer w0.5: AX4.6 AX4.5
NetAX4_11: AX4.11 X_AX4.4 | length 4
  Top Layer w1: AX4.11 X_AX4.4@36.47,89.95
NetAX4_12: AX4.12 X_AX4.3 | length 4
  Top Layer w1: AX4.12 X_AX4.3@39.01,89.95
NetAX4_13: AX4.13 X_AX4.2 | length 4
  Top Layer w1: AX4.13 X_AX4.2@41.55,89.95
NetAX4_14: AX4.14 X_AX4.1 | length 4
  Top Layer w1: AX4.14 X_AX4.1@44.09,89.95
NetC2_2: C2.2 DA1.3 VD1.1 | length 11.7
  Top Layer w0.8: C2.2 63.025,81.45 VD1.1 69.625,86.275 DA1.3
NetR13_1: R13.1 X3.1 | length 14.9
  Top Layer w0.5: R13.1 53.5,12.1 57.5,12.1 61.7,7.9 X3.1@66.5,7.9
NetR15_1: R15.1 XPower.1 | length 17.7
  Top Layer w0.5: XPower.1 89,72.5 90.3,73.8 90.3,81.2 90.25,81.25 90.25,81.445 87.9,83.795 R15.1
NetVD2_1: VD2.1 X1.1 | length 14.2
  Top Layer w1: VD2.1 83.9,83.9 86.8,81 X1.1
SCL: A3.34 A4.4 | length 13.6
  Top Layer w0.5: A3.34 52.055,30.87 55.01,27.915 A4.4
SDA: A3.35 A4.3 | length 13.4
  Top Layer w0.5: A3.35 51.67,28.33 53.075,26.925 53.075,22.645 A4.3
TONE: A3.37 DB1.2 R12.1 R12.2 | length 59.6
  Top Layer w0.3: 54.1,19.46 56.1,19.46
  Top Layer w0.5: A3.37 49.45,23.25 53.24,19.46 54.1,19.46 ; 56.1,19.5 59.9,19.5 61.3,20.9 R12.1@61.3,23.25
  Top Layer w1: R12.2@64.3,23.25 85.66,23.25 ccw(c85.66,25.79) 88.2,25.79 DB1.2
USB-RX: A1.1 A3.26 | length 14.8
  Top Layer w0.5: A3.26 47.67,51.6 57.8,51.6 58.9,50.5 A1.1
USB-TX: A1.2 A3.27 | length 30.5
  Top Layer w0.25: 46.2,52.45 48.325,52.45
  Top Layer w0.4: 48.325,52.45 60.55,52.45 62.5,50.5 62.5,46.3 61.625,45.425 A1.2
  Top Layer w0.5: 46.2,52.45 45.775,52.45 45.35,52.025 45.35,50.56 A3.27
WIFI-RX: A2.4 A3.15 | length 72.7
  Top Layer w0.6: A3.15 34.065,51.19 37,54.125 37,65.76 29.99,72.77 29.99,74.865 30.675,75.55 50.7,75.55 51.725,74.525 51.725,67.235 A2.4
WIFI-TX: A2.3 A3.16 | length 69.7
  Top Layer w0.5: A3.16 34.305,53.73 35.8,55.225 35.8,65.525 28.9,72.425 28.9,74.9 30.4,76.4 51,76.4 52.575,74.825 52.575,68.925 A2.3
pads on no net: A3.1 A3.3 A3.6 A3.10 A3.12 A3.13 A3.14 A3.17 A3.18 A3.23 A3.33 A3.36 A3.39 A3.40 AX1.1 AX1.15 AX2.15 AX4.15 X5.5 X5.6

## Other copper
Top Layer:
  text "RA" at 14.6,84.9 h4
  text "FOC" at 39.5,80.2 h4
  text "GND" at 18.8,78.9 h2
  text "+12V" at 92.8,76.4 h2 r90
  text "GND" at 78.7,73 h2
  text "DIR" at 8.6,72 h2
  text "STEP" at 16.2,68.6 h2 r90
  text "OnStep_3.16" at 70.2,54.3 h6
  text "STEP" at 19.9,16.2 h2 r90
  text "DIR" at 26.3,11.7 h2 r90
  text "GND" at 10.4,10.8 h2 r90
  text "LED" at 71.6,6.6 h4
  text "DEC" at 16,3.6 h4
  text "D-" at 43.5,1.3 h2
  text "D+" at 35.956,1.2 h2

## Silkscreen, mask and mechanical layers (free items; w line width, h text height)
Board Outline:
  the board outline again, w0.3

## Text inside footprints (layer, text, board x,y; h text height)
A1: Board Outline "6" at 59.375,40.665 h1.5 r90; Board Outline "1" at 59.408,48.219 h1.5 r90
A2: Board Outline "1" at 61.518,65.824 h1.5 r90; Board Outline "6" at 61.485,58.27 h1.5 r90
A3: Board Outline "20" at 33.51,64.62 h2 r180; Board Outline "40" at 43.76,16.38 h2 r180; Board Outline "21" at 43.76,64.63 h2 r180; Board Outline "1" at 29.51,16.13 h2 r180
A4: Board Outline "6" at 54.535,22.93 h1.5 r270; Board Outline "1" at 54.502,15.376 h1.5 r270
AX1: Board Outline "16" at 11.808,65.014 h1.5 r90; Board Outline "9" at 11.935,46.98 h1.5 r90; Board Outline "8" at 24.535,46.98 h1.5 r90; Board Outline "1" at 24.408,65.014 h1.5 r90
AX2: Board Outline "1" at 24.518,39.604 h1.5 r90; Board Outline "8" at 24.645,21.57 h1.5 r90; Board Outline "9" at 12.045,21.57 h1.5 r90; Board Outline "16" at 11.918,39.604 h1.5 r90
AX4: Board Outline "1" at 49.424,72.842 h1.5; Board Outline "8" at 31.39,72.715 h1.5; Board Outline "9" at 31.39,85.315 h1.5; Board Outline "16" at 49.424,85.442 h1.5
X1: Bottom Annotation "1" at 87.054,75.292 h1.5; Bottom Annotation "2" at 84.641,75.419 h1.5
X3: Bottom Annotation "2" at 68.619,8.281 h1.5 r180; Bottom Annotation "1" at 66.206,8.408 h1.5 r180
X_AX1: Bottom Annotation "1" at 6.408,59.934 h1.5 r90; Bottom Annotation "4" at 6.4,52.18 h1.5 r90
X_AX2: Bottom Annotation "1" at 5.518,34.524 h1.5 r90; Bottom Annotation "4" at 5.51,26.77 h1.5 r90
X_AX4: Bottom Annotation "1" at 44.294,89.092 h1.5; Bottom Annotation "4" at 36.54,89.1 h1.5
X_DEC: Bottom Overlay "1" at 23.067,14.5 h2
X_RA: Bottom Overlay "1" at 9.61,74.4 h2 r180
XPower: Bottom Annotation "2" at 84.641,72.119 h1.5; Bottom Annotation "1" at 87.054,71.992 h1.5